# Altium PCB Graviton_11JAN15.PcbDoc (part 1 of 11) (continued)
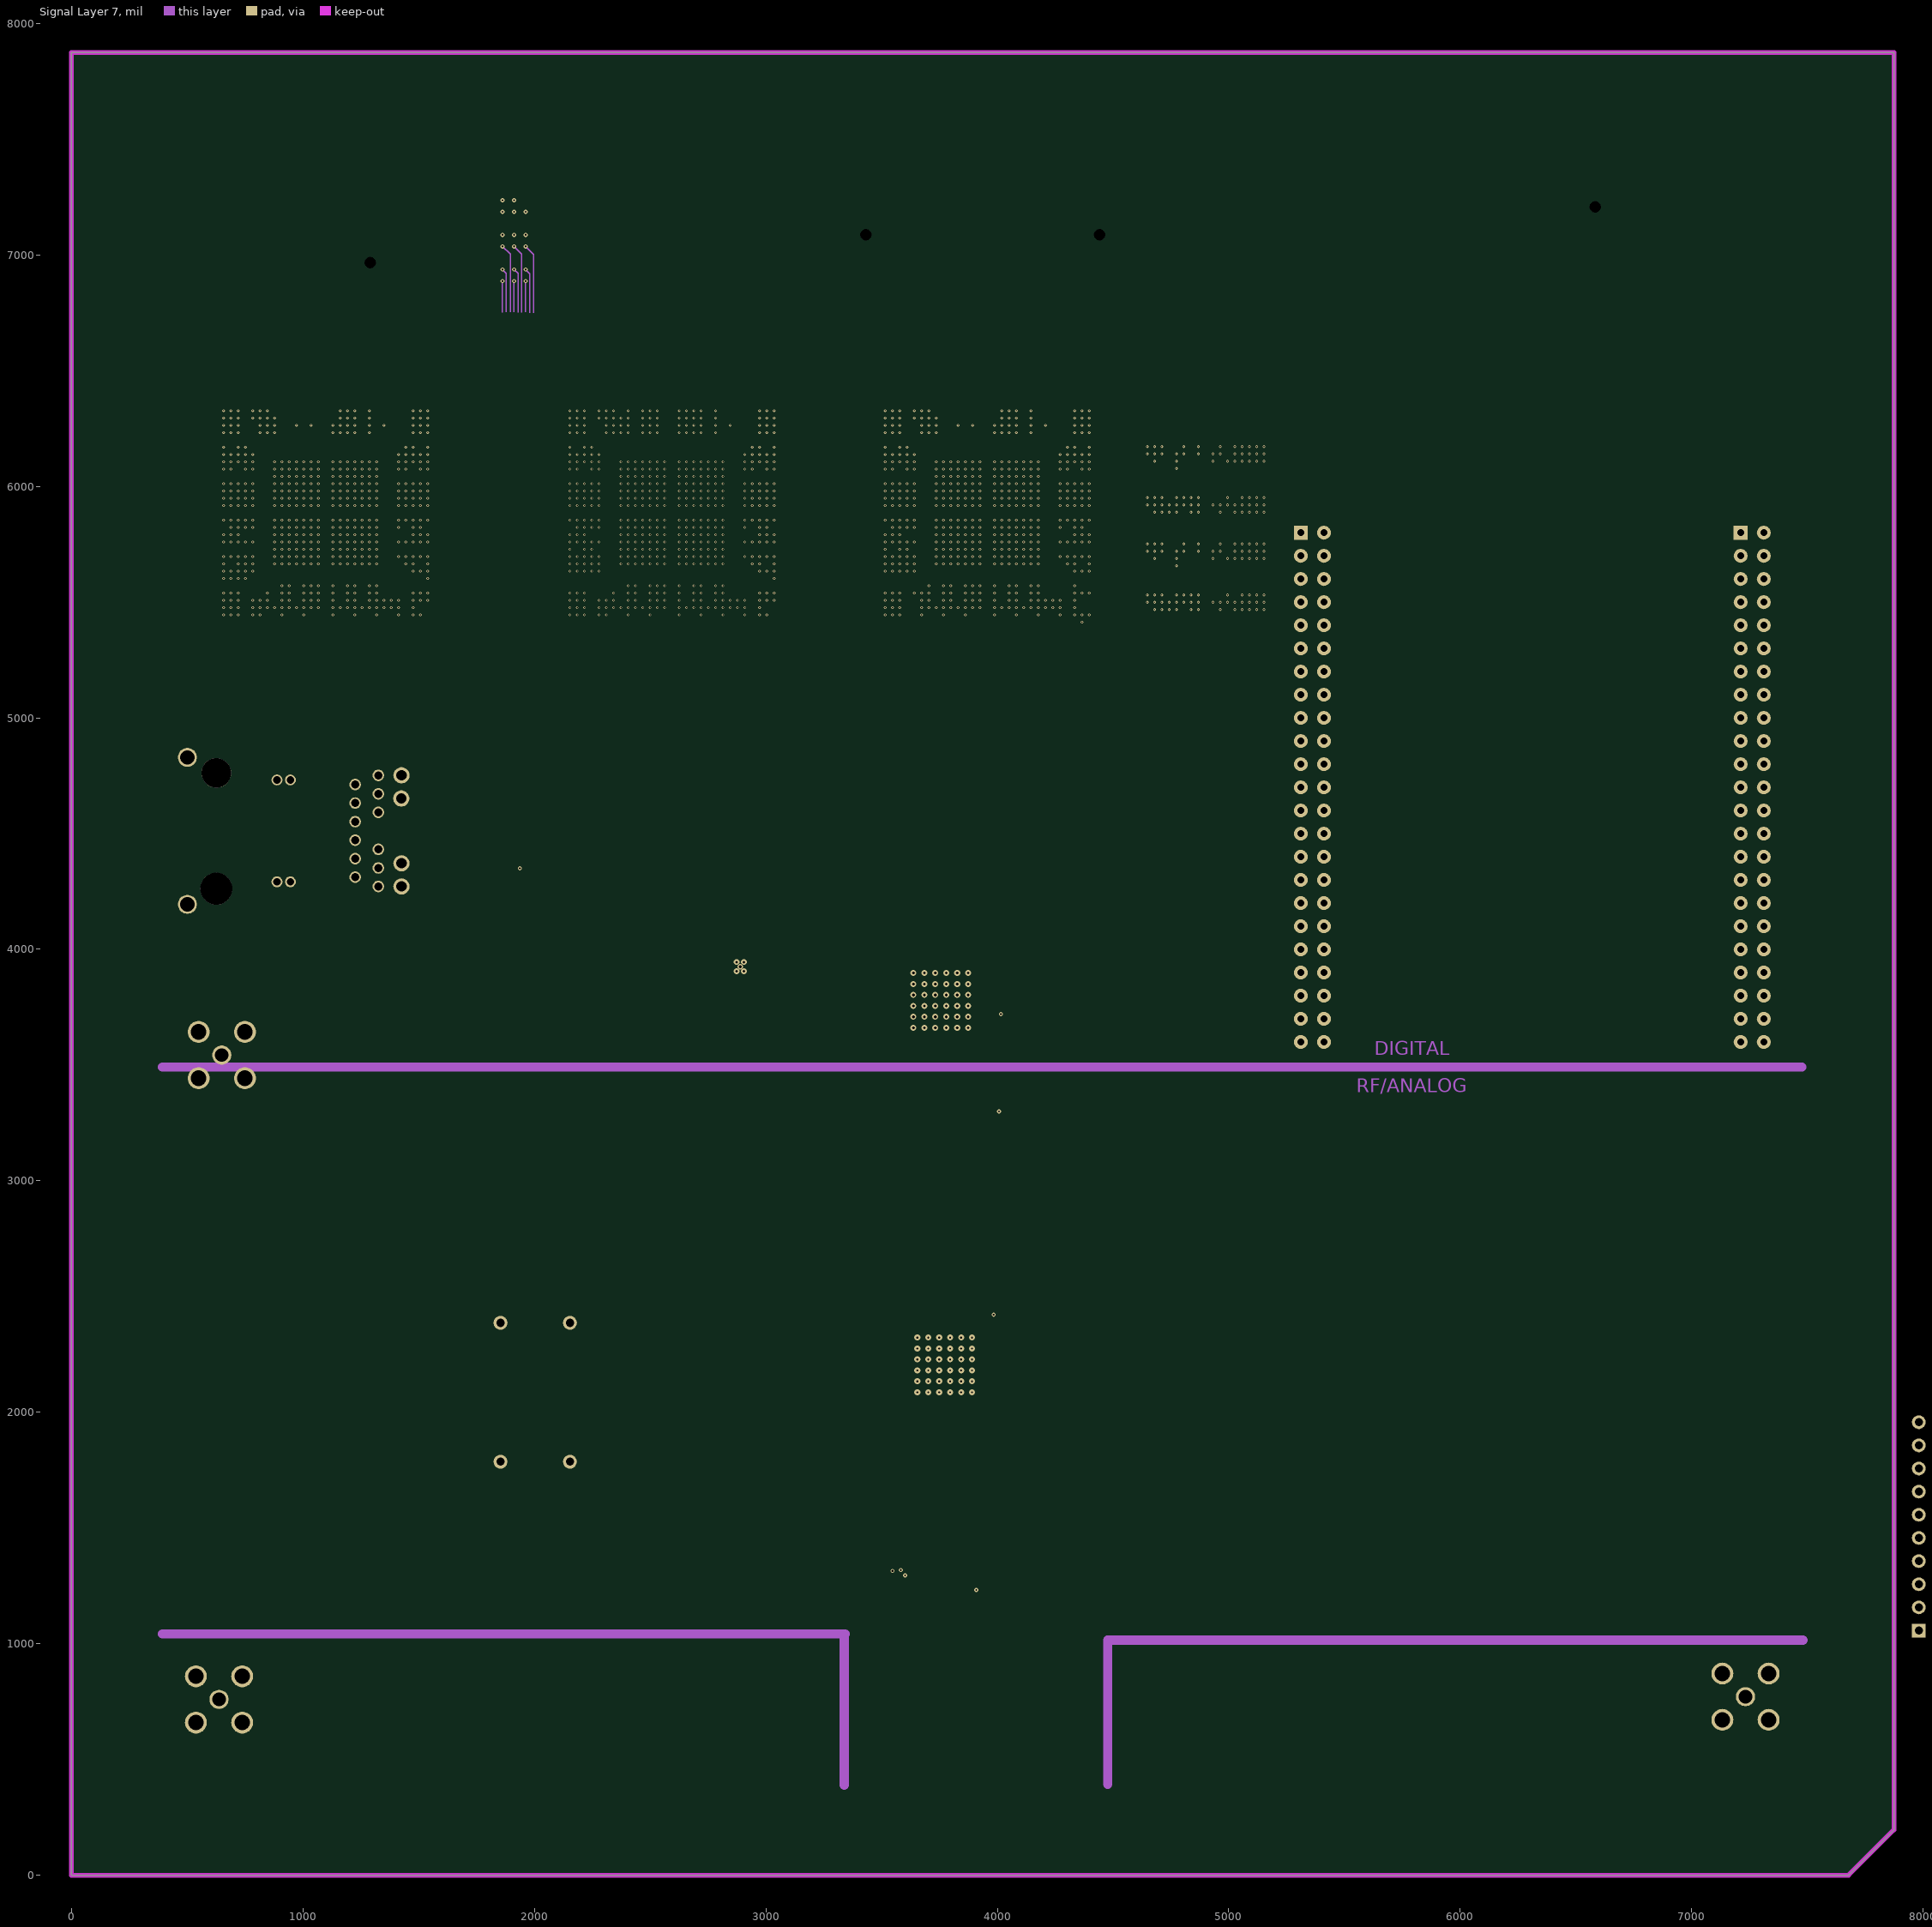
[diagram p7: Signal Layer 7]
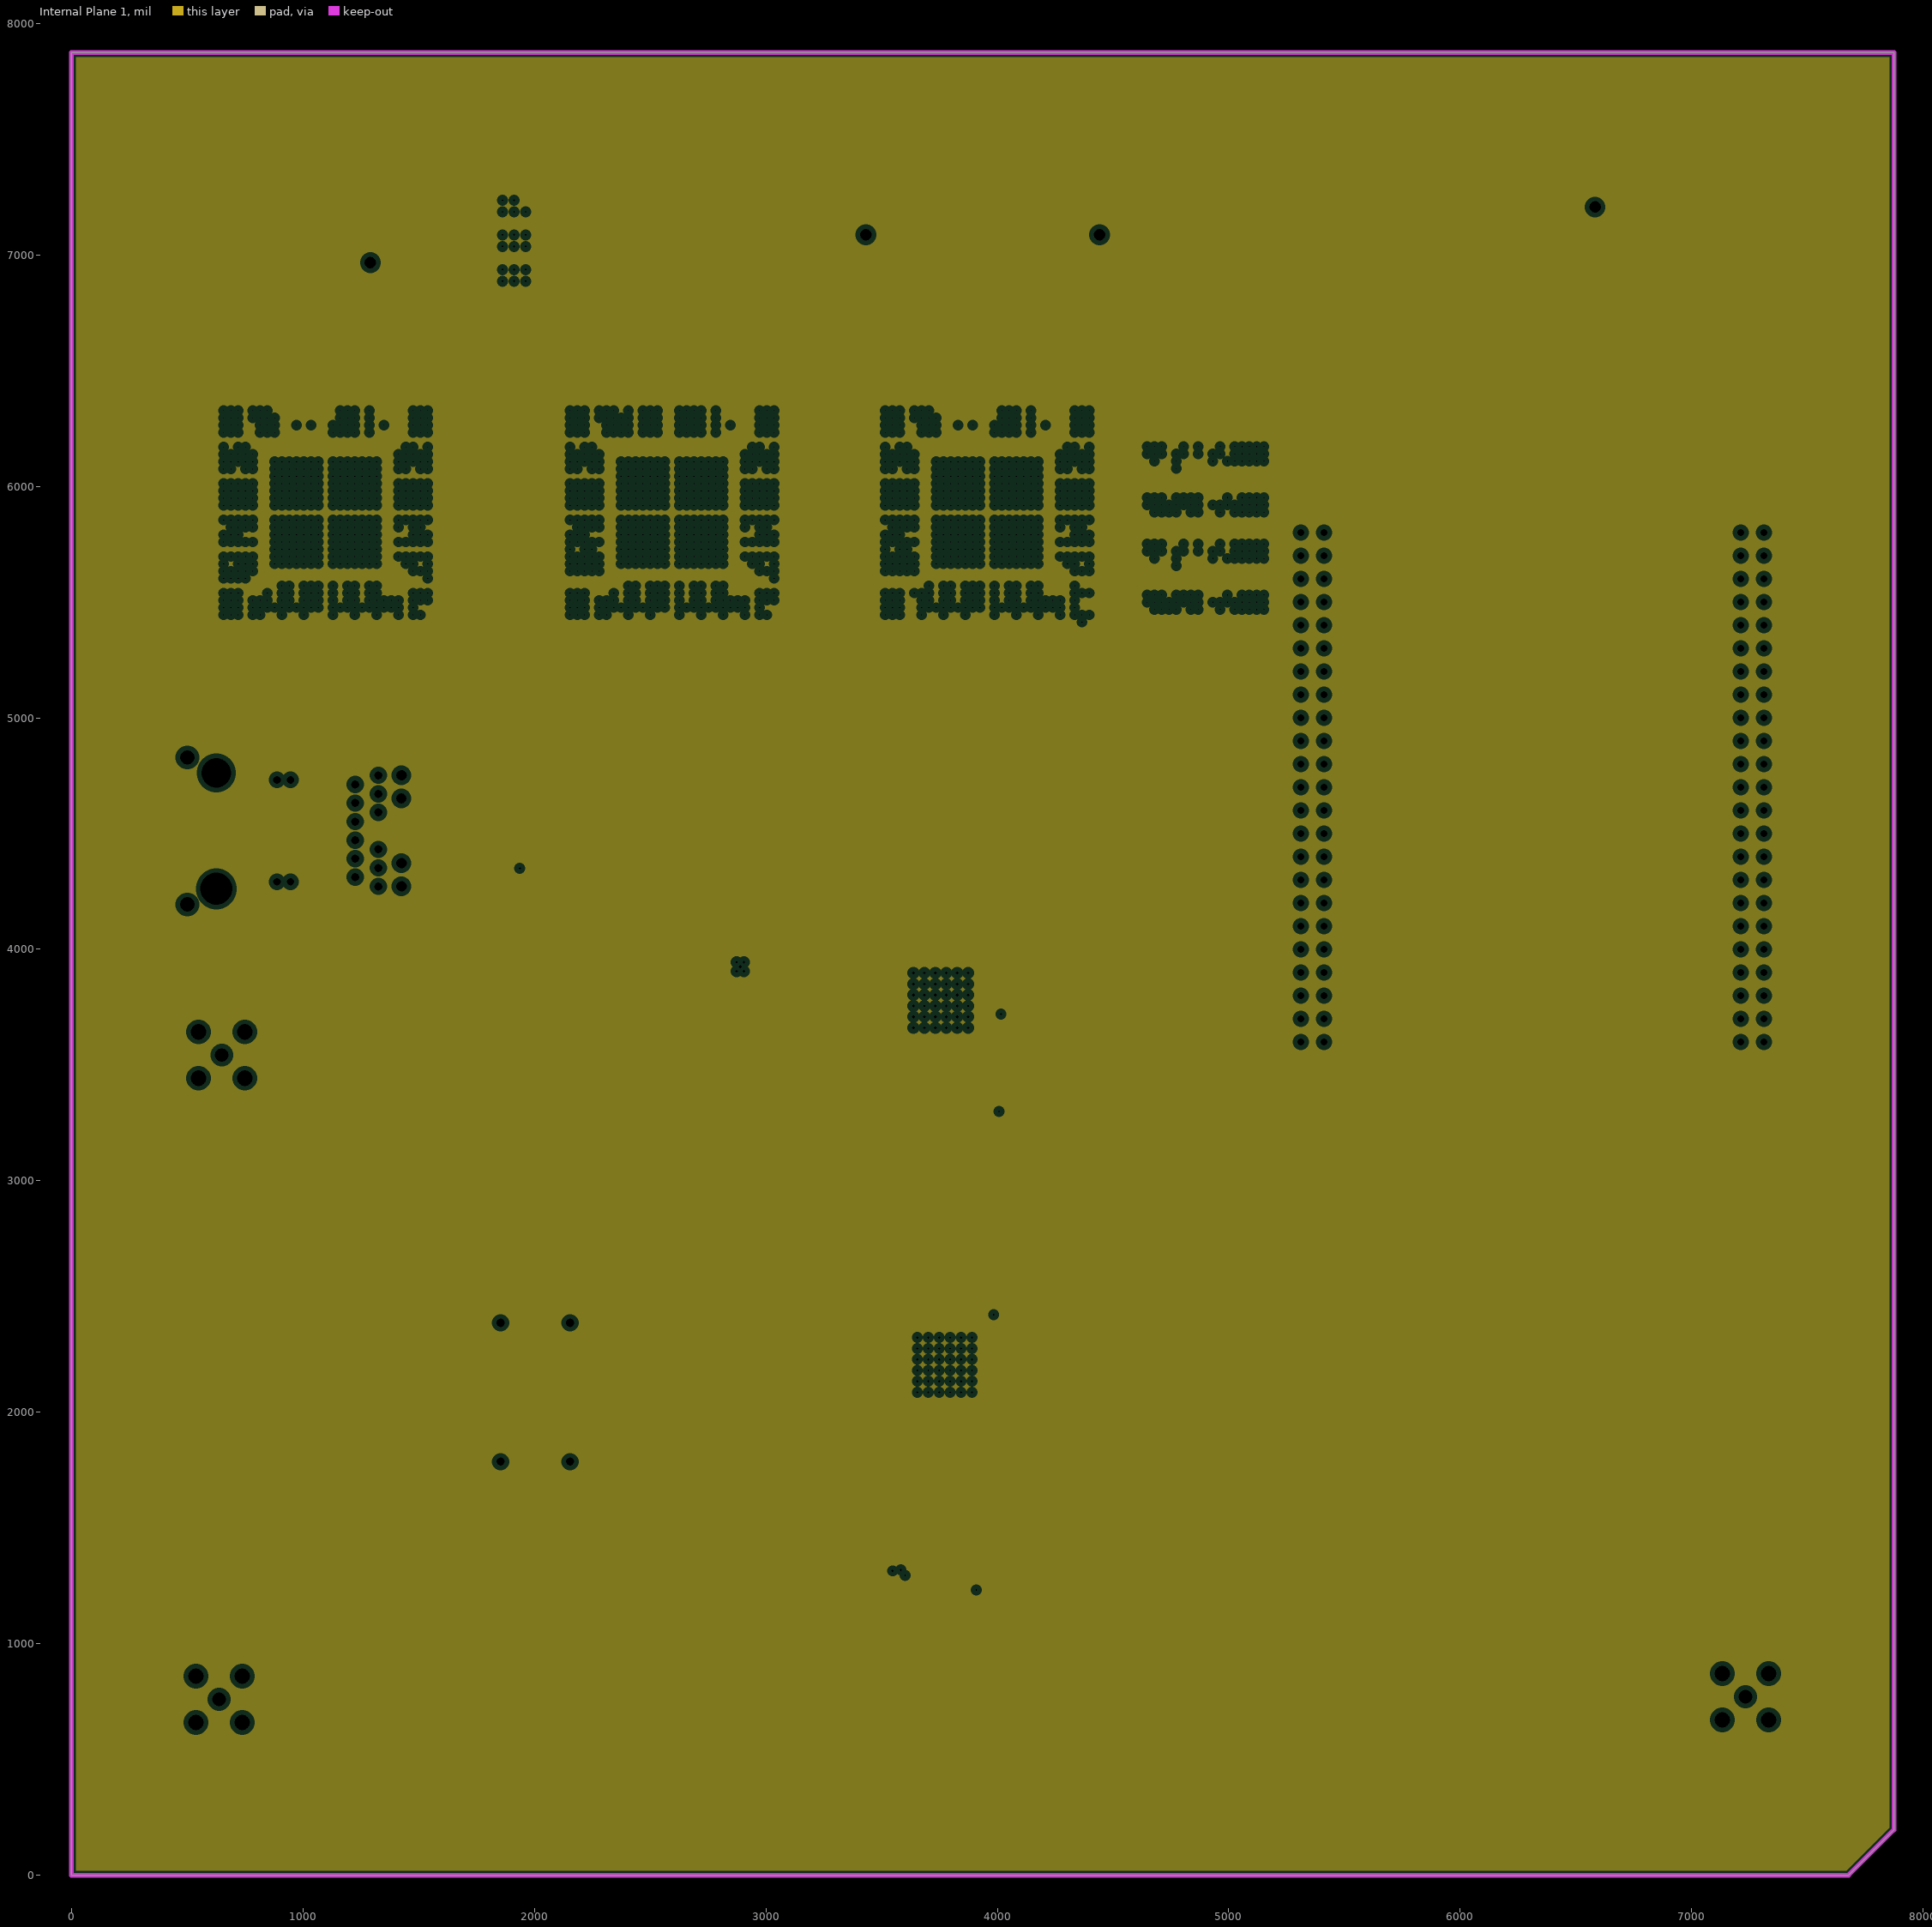
[diagram p8: Internal Plane 1, clearances drawn from the general rule]

## Layer stack, top to bottom
Top Solder: solder mask 0.4, Solder Resist, Dk 3.5
Top Layer: signal copper 1.4169
Dielectric1: core 5.7, FR408, Dk 3.67
Internal Plane 2: plane copper 1.4173
Dielectric 3: prepreg 5, FR408, Dk 4.2
Signal Layer 2: signal copper 0.7091
Dielectric 4: core 10, FR408, Dk 4.2
Internal Plane 3: plane copper 1.4173
Dielectric 5: prepreg 5, FR408, Dk 4.2
Signal Layer 4: signal copper 1.4169
Dielectric 6: core 10, FR408, Dk 4.2
Signal Layer 5: signal copper 1.4169
Dielectric 7: prepreg 5, FR408, Dk 4.2
Internal Plane 4: plane copper 1.4173
Dielectric 8: core 10, FR408, Dk 4.2
Signal Layer 7: signal copper 0.7091
Dielectric 9: prepreg 5, FR408, Dk 4.2
Internal Plane 1: plane copper 1.4173
Dielectric 2: core 10, FR408, Dk 4.2
Bottom Layer: signal copper 1.4169
Bottom Solder: solder mask 0.4, Solder Resist, Dk 3.5

## Board outline
0,0 7677.17,0 7874.02,196.85 7874.02,7874.02 0,7874.02

## Design rules (kind name [scope] priority, off if disabled: settings)
Clearance Clearance_BGA [WithinRoom('BGA_U19A') Or WithinRoom('BGA_U19B') Or WithinRoom('BGA_U19C')] p1: gap=4
Clearance [All] p2: gap=5
ComponentClearance [All] p1 off: gap=10 collisioncheckmode=3 verticalgap=10 showdistances=FALSE
DiffPairsRouting [All] p1: maxlimit=5 minlimit=3.15 mostfreqgap=3.15 toplayer_mingap=5 toplayer_prefgap=5 toplayer_minwidth=2.99 toplayer_maxwidth=2.99 toplayer_prefwidth=2.99 midlayer2_maxgap=3.15 midlayer2_minwidth=2.99 midlayer2_maxwidth=2.99 midlayer2_prefwidth=2.99 midlayer4_maxgap=3.15 midlayer4_minwidth=2.99 midlayer4_maxwidth=2.99 midlayer4_prefwidth=2.99 midlayer5_maxgap=3.15 midlayer5_minwidth=2.99 midlayer5_maxwidth=2.99 midlayer5_prefwidth=2.99 midlayer7_maxgap=3.15 midlayer7_minwidth=2.99 midlayer7_maxwidth=2.99 midlayer7_prefwidth=2.99 bottomlayer_mingap=5 bottomlayer_prefgap=5 bottomlayer_minwidth=2.99 bottomlayer_maxwidth=2.99 bottomlayer_prefwidth=2.99 maxuncoupledlength=500
FanoutControl Fanout_BGA [IsBGA] p1: bgadir=Out bgaviamode=Centered fanoutstyle=BGA fanoutdirection=Alternating viagrid=1 // Fanout_BGA (Default Rule)
HoleSize [All] p1: absolutevalues=TRUE maxlimit=1000 minlimit=10 maxpercent=80.000 minpercent=20.000
Length "Schematic Length Constraint" [InNet('NetR43_1')] p1: maxlimit=2000 minlimit=0
MatchedLengths MatchedLengths-DDR-DQS0 [InNetClass('DDR-DQS0')] p1: tolerance=20 checknetsindiffpair=FALSE checkdiffpairvsdiffpair=TRUE checkothers=TRUE
MatchedLengths MatchedLengths-DDR-ALL [InNetClass('DDR-ALL')] p2: tolerance=2000 checknetsindiffpair=FALSE checkdiffpairvsdiffpair=TRUE checkothers=TRUE
MatchedLengths MatchedLengths-DDR-DQS3 [InNetClass('DDR-DQS3')] p3: tolerance=20 checknetsindiffpair=FALSE checkdiffpairvsdiffpair=TRUE checkothers=TRUE
MatchedLengths MatchedLengths-DDR-DQS2 [InNetClass('DDR-DQS2')] p4: tolerance=20 checknetsindiffpair=FALSE checkdiffpairvsdiffpair=TRUE checkothers=TRUE
MatchedLengths MatchedLengths-DDR-DQS1 [InNetClass('DDR-DQS1')] p5: tolerance=20 checknetsindiffpair=FALSE checkdiffpairvsdiffpair=TRUE checkothers=TRUE
MatchedLengths MatchedLengths-P1A.DDRCC [InNetClass('P1A.DDRCC')] p6: tolerance=236.22 checknetsindiffpair=FALSE checkdiffpairvsdiffpair=TRUE checkothers=TRUE
MatchedLengths MatchedLengths-P1A.SDRCC [InNetClass('P1A.SDRCC')] p7: tolerance=236.22 checknetsindiffpair=FALSE checkdiffpairvsdiffpair=TRUE checkothers=TRUE
MatchedLengths MatchedLengths-P1B.DDRCC [InNetClass('P1B.DDRCC')] p8: tolerance=236.22 checknetsindiffpair=FALSE checkdiffpairvsdiffpair=TRUE checkothers=TRUE
MatchedLengths MatchedLengths-P1B.SDRCC [InNetClass('P1B.SDRCC')] p9: tolerance=236.22 checknetsindiffpair=FALSE checkdiffpairvsdiffpair=TRUE checkothers=TRUE
MatchedLengths MatchedLengths-P2A.DDRCC [InNetClass('P2A.DDRCC')] p10: tolerance=236.22 checknetsindiffpair=FALSE checkdiffpairvsdiffpair=TRUE checkothers=TRUE
MatchedLengths MatchedLengths-P2A.SDRCC [InNetClass('P2A.SDRCC')] p11: tolerance=236.22 checknetsindiffpair=FALSE checkdiffpairvsdiffpair=TRUE checkothers=TRUE
MatchedLengths MatchedLengths-P2B.DDRCC [InNetClass('P2B.DDRCC')] p12: tolerance=236.22 checknetsindiffpair=FALSE checkdiffpairvsdiffpair=TRUE checkothers=TRUE
MatchedLengths MatchedLengths-P2BSDRCC [InNetClass('P2B.SDRCC')] p13: tolerance=236.22 checknetsindiffpair=FALSE checkdiffpairvsdiffpair=TRUE checkothers=TRUE
MatchedLengths MatchedLengths-GPMC [InNetClass('GPMC')] p14: tolerance=236.22 checknetsindiffpair=FALSE checkdiffpairvsdiffpair=TRUE checkothers=TRUE
PlaneClearance [All] p1: clearance=20
PlaneConnect [All] p1: planeconnectstyle=Relief reliefexpansion=20 reliefentries=4 reliefconductorwidth=10 reliefairgap=10
PolygonConnect [All] p1: connectstyle=Direct reliefconductorwidth=10 reliefentries=4 polygonreliefangle="90 Angle" airgapwidth=10
RoomDefinition BGA_U19B [InComponentClass('Room Definition 1')] p1: confinementstyle=ConfineIn formatcopy=TRUE lockcomponents=FALSE outline 514.96,5335.35 514.96,6426.22 1637.32,6426.22 1637.32,5335.35
RoomDefinition BGA_U19C [InComponentClass('Room Definition 1')] p2: confinementstyle=ConfineIn formatcopy=TRUE lockcomponents=FALSE outline 2011.26,5327.87 2011.26,6418.74 3133.62,6418.74 3133.62,5327.87
RoomDefinition BGA_U19A [InComponentClass('Room Definition 1')] p3: confinementstyle=ConfineIn formatcopy=TRUE lockcomponents=FALSE outline 3379.76,5340.39 3379.76,6431.26 4502.13,6431.26 4502.13,5340.39
RoomDefinition ENET-FPGA_8 [InComponentClass('ENET-FPGA')] p4: confinementstyle=ConfineIn formatcopy=TRUE lockcomponents=FALSE outline -2483.47,-2446.55 -483.47,-2446.55 -483.47,-1446.55 -2483.47,-1446.55
RoomDefinition ENET-FPGA_7 [InComponentClass('ENET-FPGA')] p5: confinementstyle=ConfineIn formatcopy=TRUE lockcomponents=FALSE outline -2483.47,-2446.55 -483.47,-2446.55 -483.47,-1446.55 -2483.47,-1446.55
RoomDefinition ENET-FPGA_6 [InComponentClass('ENET-FPGA')] p6: confinementstyle=ConfineIn formatcopy=TRUE lockcomponents=FALSE outline -2483.47,-2446.55 -483.47,-2446.55 -483.47,-1446.55 -2483.47,-1446.55
RoomDefinition ENET-FPGA_5 [InComponentClass('ENET-FPGA')] p7: confinementstyle=ConfineIn formatcopy=TRUE lockcomponents=FALSE outline -2483.47,-2446.55 -483.47,-2446.55 -483.47,-1446.55 -2483.47,-1446.55
RoomDefinition ENET-FPGA_4 [InComponentClass('ENET-FPGA')] p8: confinementstyle=ConfineIn formatcopy=TRUE lockcomponents=FALSE outline -2483.47,-2446.55 -483.47,-2446.55 -483.47,-1446.55 -2483.47,-1446.55
RoomDefinition ENET-FPGA_3 [InComponentClass('ENET-FPGA')] p9: confinementstyle=ConfineIn formatcopy=TRUE lockcomponents=FALSE outline -2483.47,-2446.55 -483.47,-2446.55 -483.47,-1446.55 -2483.47,-1446.55
RoomDefinition ENET-FPGA_2 [InComponentClass('ENET-FPGA')] p10: confinementstyle=ConfineIn formatcopy=TRUE lockcomponents=FALSE outline -2483.47,-2446.55 -483.47,-2446.55 -483.47,-1446.55 -2483.47,-1446.55
RoomDefinition ENET-FPGA_1 [InComponentClass('ENET-FPGA')] p11: confinementstyle=ConfineIn formatcopy=TRUE lockcomponents=FALSE outline -2483.47,-2446.55 -483.47,-2446.55 -483.47,-1446.55 -2483.47,-1446.55
RoomDefinition ENET-FPGA [InComponentClass('ENET-FPGA')] p12: confinementstyle=ConfineIn formatcopy=TRUE lockcomponents=FALSE outline -2483.47,-2446.55 -483.47,-2446.55 -483.47,-1446.55 -2483.47,-1446.55
RoomDefinition U_TXPA1B [InComponentClass('U_TXPA1B')] p13: confinementstyle=ConfineIn formatcopy=TRUE lockcomponents=FALSE outline 535.43,1133.86 1405.51,1133.86 1405.51,1610.24 535.43,1610.24
RoomDefinition U_TXPA1A [InComponentClass('U_TXPA1A')] p14: confinementstyle=ConfineIn formatcopy=TRUE lockcomponents=FALSE outline 6472.44,1096.46 7342.52,1096.46 7342.52,1572.83 6472.44,1572.83
RoomDefinition U_TXPA0B [InComponentClass('U_TXPA0B')] p15: confinementstyle=ConfineIn formatcopy=TRUE lockcomponents=FALSE outline 393.7,1681.1 1263.78,1681.1 1263.78,2157.48 393.7,2157.48
RoomDefinition U_TXPA0A [InComponentClass('U_TXPA0A')] p16: confinementstyle=ConfineIn formatcopy=TRUE lockcomponents=FALSE outline 6330.71,1663.39 7200.79,1663.39 7200.79,2139.76 6330.71,2139.76
RoomDefinition U_RXMIXB [InComponentClass('U_RXMIXB')] p17: confinementstyle=ConfineIn formatcopy=TRUE lockcomponents=FALSE outline -2483.47,-2446.55 -483.47,-2446.55 -483.47,-1446.55 -2483.47,-1446.55
RoomDefinition U_RXMIXA [InComponentClass('U_RXMIXA')] p18: confinementstyle=ConfineIn formatcopy=TRUE lockcomponents=FALSE outline -2483.47,-2446.55 -483.47,-2446.55 -483.47,-1446.55 -2483.47,-1446.55
RoomDefinition U_RFTXB [InComponentClass('U_RFTXB')] p19: confinementstyle=ConfineIn formatcopy=TRUE lockcomponents=FALSE outline 385.83,2216.54 2062.99,2216.54 2062.99,3240.16 385.83,3240.16
RoomDefinition U_RFTXA [InComponentClass('U_RFTXA')] p20: confinementstyle=ConfineIn formatcopy=TRUE lockcomponents=FALSE outline 6322.83,2195.87 8000,2195.87 8000,3219.49 6322.83,3219.49
RoomDefinition U_RFRXB [InComponentClass('U_RFRXB')] p21: confinementstyle=ConfineIn formatcopy=TRUE lockcomponents=FALSE outline -2483.47,-2446.55 -483.47,-2446.55 -483.47,-1446.55 -2483.47,-1446.55
RoomDefinition U_RFRXA [InComponentClass('U_RFRXA')] p22: confinementstyle=ConfineIn formatcopy=TRUE lockcomponents=FALSE outline -2483.47,-2446.55 -483.47,-2446.55 -483.47,-1446.55 -2483.47,-1446.55
RoomDefinition U_RFLNA1B [InComponentClass('U_RFLNA1B')] p23: confinementstyle=ConfineIn formatcopy=TRUE lockcomponents=FALSE outline -2483.47,-2446.55 -483.47,-2446.55 -483.47,-1446.55 -2483.47,-1446.55
RoomDefinition U_RFLNA1A [InComponentClass('U_RFLNA1A')] p24: confinementstyle=ConfineIn formatcopy=TRUE lockcomponents=FALSE outline -2483.47,-2446.55 -483.47,-2446.55 -483.47,-1446.55 -2483.47,-1446.55
RoomDefinition U_RFLNA0B [InComponentClass('U_RFLNA0B')] p25: confinementstyle=ConfineIn formatcopy=TRUE lockcomponents=FALSE outline -2483.47,-2446.55 -483.47,-2446.55 -483.47,-1446.55 -2483.47,-1446.55
RoomDefinition U_RFLNA0A [InComponentClass('U_RFLNA0A')] p26: confinementstyle=ConfineIn formatcopy=TRUE lockcomponents=FALSE outline -2483.47,-2446.55 -483.47,-2446.55 -483.47,-1446.55 -2483.47,-1446.55
RoomDefinition U_RFAMPB [InComponentClass('U_RFAMPB')] p27: confinementstyle=ConfineIn formatcopy=TRUE lockcomponents=FALSE outline -2483.47,-2446.55 -483.47,-2446.55 -483.47,-1446.55 -2483.47,-1446.55
RoomDefinition U_DSA1B [InComponentClass('U_DSA1B')] p28: confinementstyle=ConfineIn formatcopy=TRUE lockcomponents=FALSE outline -2483.47,-2446.55 -483.47,-2446.55 -483.47,-1446.55 -2483.47,-1446.55
RoomDefinition U_DSA1A [InComponentClass('U_DSA1A')] p29: confinementstyle=ConfineIn formatcopy=TRUE lockcomponents=FALSE outline 4240.16,3459.65 4240.16,2765.75 5036.42,2765.75 5036.42,3459.65
RoomDefinition U_DSA0B [InComponentClass('U_DSA0B')] p30: confinementstyle=ConfineIn formatcopy=TRUE lockcomponents=FALSE outline -2483.47,-2446.55 -483.47,-2446.55 -483.47,-1446.55 -2483.47,-1446.55
RoomDefinition U_DSA0A [InComponentClass('U_DSA0A')] p31: confinementstyle=ConfineIn formatcopy=TRUE lockcomponents=FALSE outline -2483.47,-2446.55 -483.47,-2446.55 -483.47,-1446.55 -2483.47,-1446.55
RoomDefinition U_AntennaB [InComponentClass('U_AntennaB')] p32: confinementstyle=ConfineIn formatcopy=TRUE lockcomponents=FALSE outline -2483.47,-2446.55 -483.47,-2446.55 -483.47,-1446.55 -2483.47,-1446.55
RoomDefinition U_AntennaA [InComponentClass('U_AntennaA')] p33: confinementstyle=ConfineIn formatcopy=TRUE lockcomponents=FALSE outline -2483.47,-2446.55 -483.47,-2446.55 -483.47,-1446.55 -2483.47,-1446.55
RoomDefinition FPGAPWRB [InComponentClass('FPGAPWRB')] p34: confinementstyle=ConfineIn formatcopy=TRUE lockcomponents=FALSE outline -2483.47,-2446.55 -483.47,-2446.55 -483.47,-1446.55 -2483.47,-1446.55
RoomDefinition FPGAPWRA [InComponentClass('FPGAPWRA')] p35: confinementstyle=ConfineIn formatcopy=TRUE lockcomponents=FALSE outline -2483.47,-2446.55 -483.47,-2446.55 -483.47,-1446.55 -2483.47,-1446.55
RoomDefinition FPGA8B [InComponentClass('FPGA8B')] p36: confinementstyle=ConfineIn formatcopy=TRUE lockcomponents=FALSE outline -2483.47,-2446.55 -483.47,-2446.55 -483.47,-1446.55 -2483.47,-1446.55
RoomDefinition FPGA8A [InComponentClass('FPGA8A')] p37: confinementstyle=ConfineIn formatcopy=TRUE lockcomponents=FALSE outline -2483.47,-2446.55 -483.47,-2446.55 -483.47,-1446.55 -2483.47,-1446.55
RoomDefinition FPGA7B [InComponentClass('FPGA7B')] p38: confinementstyle=ConfineIn formatcopy=TRUE lockcomponents=FALSE outline -2483.47,-2446.55 -483.47,-2446.55 -483.47,-1446.55 -2483.47,-1446.55
RoomDefinition FPGA7A [InComponentClass('FPGA7A')] p39: confinementstyle=ConfineIn formatcopy=TRUE lockcomponents=FALSE outline -2483.47,-2446.55 -483.47,-2446.55 -483.47,-1446.55 -2483.47,-1446.55
RoomDefinition FPGA6B [InComponentClass('FPGA6B')] p40: confinementstyle=ConfineIn formatcopy=TRUE lockcomponents=FALSE outline -2483.47,-2446.55 -483.47,-2446.55 -483.47,-1446.55 -2483.47,-1446.55
RoomDefinition FPGA6A [InComponentClass('FPGA6A')] p41: confinementstyle=ConfineIn formatcopy=TRUE lockcomponents=FALSE outline -2483.47,-2446.55 -483.47,-2446.55 -483.47,-1446.55 -2483.47,-1446.55
RoomDefinition FPGA4B [InComponentClass('FPGA4B')] p42: confinementstyle=ConfineIn formatcopy=TRUE lockcomponents=FALSE outline -2483.47,-2446.55 -483.47,-2446.55 -483.47,-1446.55 -2483.47,-1446.55
RoomDefinition FPGA4A [InComponentClass('FPGA4A')] p43: confinementstyle=ConfineIn formatcopy=TRUE lockcomponents=FALSE outline -2483.47,-2446.55 -483.47,-2446.55 -483.47,-1446.55 -2483.47,-1446.55
RoomDefinition FPGA3B [InComponentClass('FPGA3B')] p44: confinementstyle=ConfineIn formatcopy=TRUE lockcomponents=FALSE outline -2483.47,-2446.55 -483.47,-2446.55 -483.47,-1446.55 -2483.47,-1446.55
RoomDefinition FPGA3A [InComponentClass('FPGA3A')] p45: confinementstyle=ConfineIn formatcopy=TRUE lockcomponents=FALSE outline -2483.47,-2446.55 -483.47,-2446.55 -483.47,-1446.55 -2483.47,-1446.55
RoomDefinition FPGA2B [InComponentClass('FPGA2B')] p46: confinementstyle=ConfineIn formatcopy=TRUE lockcomponents=FALSE outline -2483.47,-2446.55 -483.47,-2446.55 -483.47,-1446.55 -2483.47,-1446.55
RoomDefinition FPGA2A [InComponentClass('FPGA2A')] p47: confinementstyle=ConfineIn formatcopy=TRUE lockcomponents=FALSE outline -2483.47,-2446.55 -483.47,-2446.55 -483.47,-1446.55 -2483.47,-1446.55
RoomDefinition FPGA1B [InComponentClass('FPGA1B')] p48: confinementstyle=ConfineIn formatcopy=TRUE lockcomponents=FALSE outline -2483.47,-2446.55 -483.47,-2446.55 -483.47,-1446.55 -2483.47,-1446.55
RoomDefinition FPGA1A [InComponentClass('FPGA1A')] p49: confinementstyle=ConfineIn formatcopy=TRUE lockcomponents=FALSE outline -2483.47,-2446.55 -483.47,-2446.55 -483.47,-1446.55 -2483.47,-1446.55
RoomDefinition FPGA0B [InComponentClass('FPGA0B')] p50: confinementstyle=ConfineIn formatcopy=TRUE lockcomponents=FALSE outline -2483.47,-2446.55 -483.47,-2446.55 -483.47,-1446.55 -2483.47,-1446.55
RoomDefinition FPGA0A [InComponentClass('FPGA0A')] p51: confinementstyle=ConfineIn formatcopy=TRUE lockcomponents=FALSE outline -2483.47,-2446.55 -483.47,-2446.55 -483.47,-1446.55 -2483.47,-1446.55
RoomDefinition U_sdram [InComponentClass('U_sdram')] p52: confinementstyle=ConfineIn formatcopy=TRUE lockcomponents=FALSE outline 7074.02,9057.28 11066.93,9057.28 11066.93,9746.26 7074.02,9746.26
RoomDefinition U_RFAMPA [InComponentClass('U_RFAMPA')] p53: confinementstyle=ConfineIn formatcopy=TRUE lockcomponents=FALSE outline 4574.8,1783.46 5358.27,1783.46 5358.27,2523.62 4574.8,2523.62
RoomDefinition U_processing [InComponentClass('U_processing')] p54: confinementstyle=ConfineIn formatcopy=TRUE lockcomponents=FALSE outline 7851.17,15958.96 8638.58,15958.96 8638.58,17435.34 7851.17,17435.34
RoomDefinition U_power [InComponentClass('U_power')] p55: confinementstyle=ConfineIn formatcopy=TRUE lockcomponents=FALSE outline 7851.17,15466.84 37378.73,15466.84 37378.73,16057.39 7851.17,16057.39
RoomDefinition U_lo-synth [InComponentClass('U_lo-synth')] p56: confinementstyle=ConfineIn formatcopy=TRUE lockcomponents=FALSE outline 4124.02,1153.74 3521.65,1153.74 3521.65,661.61 4124.02,661.61
RoomDefinition U_interlinkP2A [InComponentClass('U_interlinkP2A')] p57: confinementstyle=ConfineIn formatcopy=TRUE lockcomponents=FALSE outline 7949.6,12415.65 8540.15,12415.65 8540.15,14876.28 7949.6,14876.28
RoomDefinition U_interlinkP1A [InComponentClass('U_interlinkP1A')] p58: confinementstyle=ConfineIn formatcopy=TRUE lockcomponents=FALSE outline 7949.6,9856.6 8540.15,9856.6 8540.15,12317.23 7949.6,12317.23
RoomDefinition U_host-mcu [InComponentClass('U_host-mcu')] p59: confinementstyle=ConfineIn formatcopy=TRUE lockcomponents=TRUE outline 7386.22,6574.8 5236.22,6574.8 5236.22,3174.8 7386.22,3174.8
RoomDefinition U_ethernet [InComponentClass('U_ethernet')] p60: confinementstyle=ConfineIn formatcopy=TRUE lockcomponents=FALSE outline 4921.26,9724.41 4921.26,9094.49 6397.64,9094.49 6397.64,9724.41
RoomDefinition U_DAC [InComponentClass('U_DAC')] p61: confinementstyle=ConfineIn formatcopy=TRUE lockcomponents=FALSE outline -1403.24,4685.04 -1403.24,2680.32 -714.27,2680.32 -714.27,4685.04
RoomDefinition U_clock-dist [InComponentClass('U_clock-dist')] p62: confinementstyle=ConfineIn formatcopy=TRUE lockcomponents=FALSE outline 7851.17,4738.49 9819.68,4738.49 9819.68,5132.19 7851.17,5132.19
RoomDefinition U_clock [InComponentClass('U_clock')] p63: confinementstyle=ConfineIn formatcopy=TRUE lockcomponents=FALSE outline 25342.13,11316.93 33135.63,11316.93 33135.63,12596.46 25342.13,12596.46
RoomDefinition U_ADC [InComponentClass('U_ADC')] p64: confinementstyle=ConfineIn formatcopy=TRUE lockcomponents=FALSE outline 15962.4,4966.54 15962.4,7761.81 15273.43,7761.81 15273.43,4966.54